# KiCad board AmigaPCI 68040.kicad_pcb (continued)
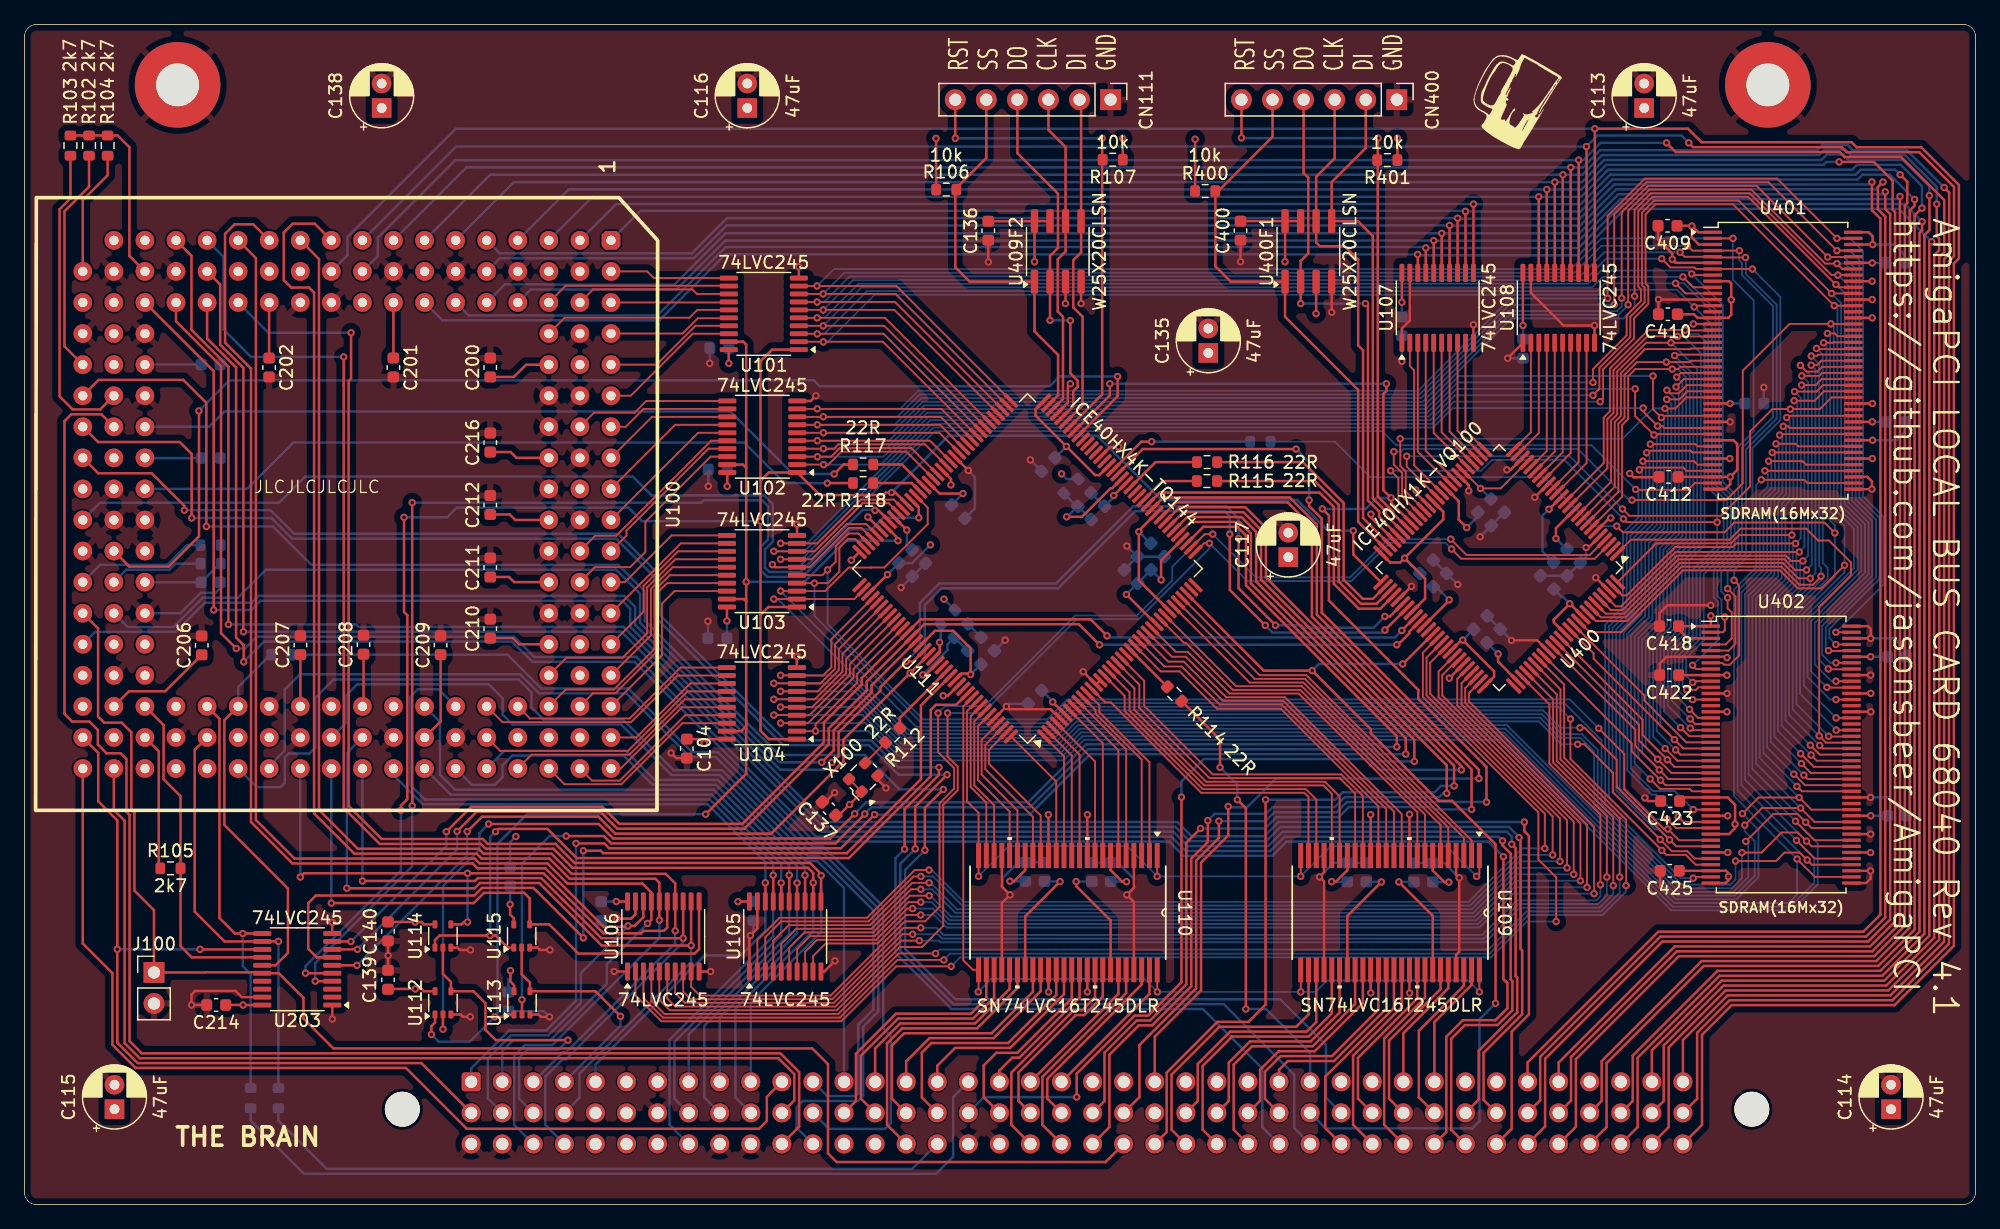
[diagram p0: board, top side]
## Routing (per net, layer and track width the routed paths; a pad name or vN(x,y) marks a point on that pad's centre or on a via; arc(x,y) is an arc through that point) (continued)
LVDA26: length 156.5
  Top w0.15: 63.16,39.35 61.82,39.35 ; U111.118 67.77,43.78 67.77,43.07 64.05,39.35 U104.3 ; v1(142.58,60.77) 145.21,60.77 145.23,60.75 145.38,60.75 145.65,60.48 U401.48 ; v1(144.87,29.77) 146.36,28.28 U402.48
  Bottom w0.15: v1(61.81,39.36) 68.76,39.36 71.46,36.65 84.86,36.65 86.5,38.29 120.81,38.29 134.75,24.35 144.36,24.35 146.3,26.29 146.3,28.34 v1(144.87,29.77) 140.35,34.29 140.35,50.04 142.16,51.85 142.16,57.92 142.81,58.57 142.81,60.55 v1(142.58,60.77)
LVDA27: length 155.4
  Top w0.15: 63.15,43.26 61.81,43.26 ; U402.50 146.1,29.28 v1(145.67,29.71) 144.97,30.41 143.64,30.41 142,28.77 v1(140.4,28.77) ; v1(142.88,61.47) 142.89,61.48 U401.50 ; U104.9 65.28,43.25 65.97,43.93 65.97,46.22 U111.112
  Bottom w0.15: v1(145.67,29.71) 140.65,34.73 140.65,49.92 142.46,51.72 142.46,57.79 143.11,58.44 143.11,61.25 v1(142.88,61.47) ; v1(61.81,43.26) 67.4,43.26 72.21,38.45 84.12,38.45 85.76,40.09 124.03,40.09 125.67,38.45 127.32,38.45 128.62,37.16 128.62,32.6 135.36,25.86 139.58,25.86 140.4,26.68 v1(140.4,28.77)
LVDA28: length 154.3
  Top w0.15: U111.119 68.07,43.37 68.07,42.66 64.67,39.26 v1(64.67,38.71) 64.66,38.7 U104.2 ; v1(144.78,31.34) 146.34,29.78 U402.51 ; U401.51 145.01,61.98 144.8,62.19 v1(143.18,62.19)
  Bottom w0.15: v1(64.67,38.71) 68.98,38.71 71.38,36.31 84.94,36.31 86.62,37.99 120.68,37.99 134.62,24.05 144.48,24.05 146.6,26.17 146.6,29.53 v1(144.78,31.34) 140.95,35.17 140.95,49.79 142.76,51.6 142.76,57.67 143.41,58.32 143.41,61.96 v1(143.18,62.19)
LVDA29: length 157.3
  Top w0.15: v1(140.72,29.69) 142.97,31.93 144.93,31.93 v1(145.62,31.25) 146.08,30.78 U402.53 ; 63.15,42.61 61.26,42.61 ; v1(143.48,62.9) 143.56,62.98 U401.53 ; U111.113 66.27,45.81 66.27,43.81 65.06,42.6 U104.8
  Bottom w0.15: v1(61.26,42.61) 67.62,42.61 72.08,38.15 84.24,38.15 85.88,39.79 123.91,39.79 125.55,38.15 127.2,38.15 128.32,37.03 128.32,32.48 135.24,25.56 139.7,25.56 140.92,26.78 140.92,29.49 v1(140.72,29.69) ; v1(143.48,62.9) 143.71,62.68 143.71,58.2 143.06,57.55 143.06,51.47 141.25,49.67 141.25,35.61 v1(145.62,31.25)
LVDA30: length 155.7
  Top w0.15: 63.15,41.3 61.26,41.3 ; U401.54 144.32,63.48 144.18,63.62 v1(143.78,63.62) ; v1(140.63,31.02) 142.03,32.41 v1(145.2,32.41) 146.33,31.28 U402.54 ; U111.115 66.87,44.99 66.87,43.56 64.61,41.3 U104.6
  Bottom w0.15: v1(145.2,32.41) 141.55,36.06 141.55,49.54 143.36,51.35 143.36,57.42 144.01,58.07 144.01,63.4 v1(143.78,63.62) ; v1(140.63,31.02) 140.63,30.52 141.45,29.7 141.45,26.88 139.83,25.26 135.11,25.26 121.18,39.19 86.13,39.19 84.49,37.55 71.84,37.55 68.08,41.31 v1(61.26,41.31)
LVDA31: length 155.9
  Top w0.15: U111.116 67.17,44.59 67.17,43.55 67.17,43.54 67.17,43.44 64.38,40.65 U104.5 ; 63.16,40.66 61.82,40.66 ; v1(144.06,64.34) 144.21,64.48 U401.56 ; v1(140.44,31.95) 141.76,33.27 v1(145.08,33.27) 146.07,32.28 U402.56
  Bottom w0.15: v1(144.06,64.34) 144.31,64.1 144.31,57.95 143.66,57.3 143.66,51.22 141.85,49.42 141.85,36.49 145.07,33.27 v1(145.08,33.27) ; v1(61.81,40.67) 68.3,40.67 71.71,37.25 84.61,37.25 86.25,38.89 121.06,38.89 134.99,24.96 139.95,24.96 141.75,26.75 141.75,30.64 v1(140.44,31.95)
LVDB0: length 33.1
  Top w0.15: U109.2 118.3,29.76 104.79,43.27 100.97,43.27 U111.33
LVDB1: length 31.5
  Top w0.15: U111.28 94.79,45.92 94.93,45.92 98.78,42.07 104.3,42.07 114.49,31.88 U109.8
LVDB2: length 32.2
  Top w0.15: U111.31 100.16,42.67 104.54,42.67 116.4,30.82 U109.5
LVDB3: length 32.8
  Top w0.15: U109.3 117.67,29.97 104.67,42.97 100.56,42.97 U111.32
LVDB4: length 32.1
  Top w0.15: U109.6 115.76,31.03 104.42,42.37 99.04,42.37 U111.29
LVDB5: length 30.3
  Top w0.15: U109.11 112.59,31.92 103.03,41.47 98.25,41.47 94.93,44.78 93.8,44.78 U111.25
LVDB6: length 31.5
  Top w0.15: U109.9 113.86,29.75 113.87,29.76 113.87,32.08 104.17,41.77 98.51,41.77 95.1,45.18 94.11,45.18 U111.26
LVDB7: length 30
  Top w0.15: U109.12 111.95,32.13 102.91,41.17 97.98,41.17 94.77,44.38 93.5,44.38 U111.24
LVDB8: length 29.7
  Top w0.15: U111.23 93.19,43.98 94.6,43.98 97.71,40.87 102.79,40.87 111.32,32.34 U109.13
LVDB9: length 29.4
  Top w0.15: U111.22 92.88,43.58 94.44,43.58 97.49,40.53 102.7,40.53 110.68,32.55 U109.14
LVDB10: length 30
  Top w0.15: U109.17 108.78,33.61 107.52,34.86 96.87,34.86 91.14,40.6 91.14,42.5 U111.18
LVDB11: length 30.4
  Top w0.15: U109.16 109.41,33.4 107.65,35.16 97.14,35.16 91.54,40.76 91.54,42.81 U111.19
LVDB12: length 28.3
  Top w0.15: U109.20 106.87,33.58 106.19,34.26 96.45,34.26 90.34,40.37 90.34,41.88 U111.16
LVDB13: length 26.2
  Top w0.15: U109.23 104.97,33.32 104.62,33.66 96.2,33.66 88.81,41.05 88.34,41.05 U111.12
LVDB14: length 14.2
  Top w0.15: U110.5 90.06,37.21 U111.9
LVDB15: length 14.9
  Top w0.15: U110.3 91.33,36.37 87.56,40.13 87.56,40.42 U111.10
LVDB16: length 28.7
  Top w0.15: U109.19 107.51,33.37 106.32,34.56 96.61,34.56 90.74,40.43 90.74,42.19 U111.17
LVDB17: length 15.4
  Top w0.15: U111.11 87.88,40.81 87.88,40.25 91.97,36.16 U110.2
LVDB18: length 26.8
  Top w0.15: U109.22 105.6,30.31 105.61,30.31 105.61,33.1 104.75,33.96 96.32,33.96 89.94,40.35 89.94,41.58 U111.15
LVDB19: length 13
  Top w0.15: U110.8 88.16,37.7 U111.7
LVDB20: length 11.4
  Top w0.15: U111.3 86.25,36.78 U110.11
LVDB21: length 12.6
  Top w0.15: U110.19 81.17,32.22 78.25,35.15 78.25,37.99 U111.141
LVDB22: length 10.9
  Top w0.15: U110.12 85.62,36.71 U111.2
LVDB23: length 12.1
  Top w0.15: U111.4 87.52,36.22 U110.9
LVDB24: length 12.9
  Top w0.15: U111.138 77.65,39.51 77.65,34.26 79.27,32.64 U110.22
LVDB25: length 13.7
  Top w0.15: U111.8 89.43,37.14 U110.6
LVDB26: length 13
  Top w0.15: U110.20 80.54,32.12 77.95,34.7 77.95,39.1 U111.139
LVDB27: length 11.3
  Top w0.15: U110.14 84.35,34.57 U111.144
LVDB28: length 13.1
  Top w0.15: U110.23 78.63,32.85 77.35,34.14 77.35,39.92 U111.137
LVDB29: length 10.4
  Top w0.15: U110.13 84.98,36.64 U111.1
LVDB30: length 12.6
  Top w0.15: U110.17 82.44,31.7 78.55,35.59 78.55,37.58 U111.142
LVDB31: length 12.4
  Top w0.15: U110.16 83.08,31.8 78.85,36.03 78.85,37.18 U111.143
PCLK: length 60.8
  Top w0.2: R118.2 65.64,58.98 v1(65.63,58.97)
  Bottom w0.2: v1(65.63,58.97) 62.16,58.97 58.84,62.29 21.99,62.29 18.2,58.5 U100.135
PORTSIZE: length 128.8
  Top w0.2: v1(113.62,36.22) 113.62,37.99 100.69,50.92 100.69,54.99 99.48,56.2 95.05,56.2 U111.42 ; v1(45.09,29.52) 47.4,29.52 47.8,29.12 66.74,29.12 v1(69.49,31.88)
  Bottom w0.2: v1(69.49,31.88) 82.17,31.88 87.11,36.82 110.02,36.82 110.61,36.22 v1(113.62,36.22) ; CN100.a1 36.52,11.13 39.62,14.23 42.66,14.23 45.09,16.66 v1(45.09,29.52)
R_W: length 30.6
  Top w0.2: U100.112 16.34,39.59 16.34,31.03 21.54,25.83 21.54,20.57 20.52,19.56 19.44,19.56
  Bottom w0.2: U100.112 17.47,42.31 20.11,44.95
R_W-3V: length 174.7
  Top w0.2: v1(108.63,55.08) 108.63,53.14 110.89,50.88 ; 60.17,48.21 v1(60.17,55.86) 60.17,59.16 ; 60.17,48.21 60.17,38.73 60.85,38.05 U104.1 ; 60.17,48.21 60.8,48.85 U103.1 ; U111.97 71.19,58.2 v1(70.89,58.2) 70.44,58.2 70.24,58 65.02,58 U102.1 60.85,59.84 60.17,59.16 ; v1(31.03,56.18) 31.03,48.44 31.3,48.17 31.3,33.13 30.78,32.61 v1(30.78,32.22) ; v1(22.98,18.91) 22.98,18.91 U203.5 ; 60.17,59.16 60.17,68.94 61.11,69.89 U101.1
  Bottom w0.2: v1(108.63,55.08) 106.56,55.08 104.04,57.6 92.93,57.6 87.69,62.85 75.54,62.85 v1(70.89,58.2) ; v1(22.98,18.91) 22.98,19.5 30.77,27.29 30.77,32.22 v1(30.78,32.22) ; v1(31.03,56.18) 34.57,56.18 35.36,56.97 49.37,56.97 50.48,55.86 v1(60.17,55.86)
RAMCLKA: length 89.1
  Top w0.15: 149.33,38.26 147.51,38.26 v1(147.49,38.28) ; U401.68 147.88,70.48 147.85,70.45 v1(147.08,70.45) ; v1(148,54.9) 147.15,55.75 139.78,55.75 138.98,54.96 130.67,54.96 v1(130.17,55.46)
  Bottom w0.15: v1(147.08,70.45) 147.31,70.22 147.31,56.21 148,55.52 v1(148,54.9) 148,51.32 144.85,48.18 144.85,40.92 v1(147.49,38.28) ; v1(130.17,55.46) 128.21,55.46 124.21,59.46 110.03,59.46 107.13,62.36 R113.2
RAMCLKB: length 22.5
  Top w0.2: R116.2 104.51,60.69 107.84,57.36 107.84,51.08 109.41,49.51 110.23,49.51 U400.52
SIZ0: length 34.5
  Top w0.2: U203.12 16.35,21.51 13.92,23.94 13.92,37.17 U100.119 ; v1(20.76,21.51) 19.44,21.51
  Bottom w0.2: v1(20.76,21.51) R119.2
SIZ0-3V: length 104.7
  Top w0.2: v1(35.36,30.51) 36.96,32.11 47.08,32.11 48.46,30.72 58.85,30.72 65.75,37.62 65.75,38.93 68.85,42.03 68.85,42.74 U111.121 73.56,47.44 86.2,47.44 v1(87.88,45.76) ; v1(112.19,45.76) 112.28,45.76 113.2,46.68 113.2,46.82 U400.60 ; U203.8 27.21,20.86 v1(27.22,20.86)
  Bottom w0.2: v1(87.88,45.76) v1(112.19,45.76) ; v1(27.22,20.86) 35.36,29.01 v1(35.36,30.51)
SIZ1: length 34.6
  Top w0.2: U100.118 15.94,39.71 15.94,23.42 17.2,22.16 v1(17.85,22.16) U203.11
  Bottom w0.2: R120.2 18.49,18.84 17.85,19.48 v1(17.85,22.16)
SIZ1-3V: length 103.9
  Top w0.2: v1(26.69,21.5) 26.68,21.51 U203.9 ; v1(34.49,30.48) 36.51,32.51 47.24,32.51 48.63,31.12 58.69,31.12 65.35,37.79 65.35,39.41 68.45,42.51 68.45,43.04 U111.120 73.25,47.84 87.15,47.84 v1(88.5,46.49) ; U400.59 v1(112.6,46.93)
  Bottom w0.2: v1(88.5,46.49) 88.63,46.36 112.02,46.36 v1(112.6,46.93) ; v1(26.69,21.5) 34.49,29.3 v1(34.49,30.48)
TM0: length 88.4
  Bottom w0.2: 68.33,14.87 68.16,14.71 68.16,9.04 67.99,8.87 65.62,8.87 CN100.a12 ; 68.33,14.87 69.4,15.94 69.4,24.04 64.96,28.47 64.06,28.47 57.02,35.51 53.07,35.51 48.93,39.64 42.44,39.64 41.45,40.64 41.45,41.86 40.39,42.92 25.27,42.92 23.79,41.44 23.79,37.37 23.29,36.87 21.6,36.87 21.29,36.56 21.29,34.47 20.94,34.12 18.99,34.12 U100.114 ; 68.33,14.87 68.16,14.7
TM1: length 89
  Bottom w0.2: CN100.c12 63.12,6.29 63.12,7.95 63.63,8.47 68.15,8.47 68.56,8.88 68.56,14.54 69.8,15.78 69.8,24.2 65.13,28.87 64.22,28.87 56.51,36.58 54.41,36.58 49.21,41.78 42.09,41.78 40.53,43.34 22.52,43.34 21.28,42.1 21.28,37.12 20.01,35.85
TM2: length 68.5
  Bottom w0.2: CN100.a13 67,25.87 64.8,28.07 63.89,28.07 56.85,35.11 52.9,35.11 48.77,39.24 39.89,39.24 39.09,40.04 39.09,41.4 37.97,42.52 27.2,42.52 26.31,41.63 26.31,39.4 U100.95
TT0: length 170.2
  Top w0.2: CN100.c32 116.23,5.93 116.23,13.72 117.59,15.07 120.25,15.07 121.23,16.05 121.23,18.1 120.9,18.43 v1(120.9,28.44) ; U100.117 14.93,70.8 17.3,68.43 17.3,46.35 17.92,45.73 v1(17.92,44.36)
  Bottom w0.2: v1(120.9,28.44) 120.9,28.45 119.68,29.67 103.18,29.67 102.01,28.5 94.76,28.5 93.59,29.67 64.55,29.67 49.86,44.36 41.51,44.36 39.85,46.02 19.58,46.02 v1(17.92,44.36)
TT1: length 166.8
  Top w0.2: v1(121.58,29.46) 121.9,29.14 121.9,18.68 122.03,18.55 122.03,15.72 118.88,12.57 118.88,8.57 CN100.b33 ; U100.116 16,75.21 16,70.29 17.9,68.39 v1(17.9,46.82)
  Bottom w0.2: v1(17.9,46.82) 47.52,46.82 47.53,46.81 48.81,46.81 65.15,30.47 93.92,30.47 95.09,29.3 101.68,29.3 102.85,30.47 121.19,30.47 121.58,30.08 v1(121.58,29.46)
UPA0: length 171.4
  Top w0.2: U100.123 12.39,72.21 16.07,68.53 16.07,46.71 v1(17.32,45.46) ; v1(120.83,29.73) 120.83,29.36 121.5,28.69 121.5,18.4 121.63,18.26 121.63,15.89 120.42,14.67 117.75,14.67 116.63,13.55 116.63,6.12 CN100.c33
  Bottom w0.2: v1(17.32,45.46) 18.02,45.46 18.99,46.42 40.02,46.42 41.68,44.76 49.86,44.76 49.87,44.77 50.05,44.77 50.05,44.74 64.72,30.07 93.75,30.07 94.92,28.9 101.84,28.9 103.01,30.07 120.49,30.07 v1(120.83,29.73)
UPA1: length 171.3
  Top w0.2: U100.121 13.65,77.56 13.65,71.51 16.67,68.49 v1(16.67,47.42) ; CN100.b34 119.28,8.55 119.28,12.4 122.43,15.56 122.43,20.78 122.3,20.91 122.3,29.89 v1(122.18,30)
  Bottom w0.2: v1(16.67,47.42) 27.12,47.42 27.32,47.22 48.97,47.22 48.97,47.21 65.32,30.87 94.09,30.87 95.25,29.7 101.51,29.7 102.68,30.87 121.35,30.87 122.18,30.04 v1(122.18,30)
Net-(CN100-Pin_a17): length 67.4
  Bottom w0.2: R120.1 18.49,6.87 22.85,2.51 74.52,2.51 75.92,3.91 75.92,8.79 CN100.a17
Net-(CN100-Pin_b12): length 82
  Bottom w0.2: R111.1 39.49,44.95 42.26,42.18 49.37,42.18 54.58,36.98 56.68,36.98 64.39,29.27 65.29,29.27 70.2,24.37 70.2,14.42 70.82,13.81 70.82,6.66 70.34,6.18 65.77,6.18 CN100.b12
Net-(CN100-Pin_c16): length 57.4
  Bottom w0.2: R119.1 20.76,6.86 24.71,2.91 72.58,2.91 CN100.c16
Net-(U111-GNDPLL0): length 4.2
  Top w0.2: 90.07,58.98 v1(89.05,57.96)
  Bottom w0.2: v1(89.05,57.96) 89.05,57.83 C133.2 ; 88.28,57.09 C134.2
Net-(U111-GNDPLL1): length 7.3
  Top w0.2: v1(73.44,43.3) 73.66,43.3 U111.127
  Bottom w0.2: 76.02,46.36 C131.2 ; C132.2 75.45,45.79 75.45,45.31 v1(73.44,43.3)
Net-(U111-IO1_140_GBIN3): length 5
  Top w0.2: U111.93 71.72,60.5 R117.1
Net-(U111-IO1_141_GBIN2): length 4.1
  Top w0.2: R118.1 72.53,58.98 U111.94
Net-(U111-IO2_81_GBIN5): length 5
  Top w0.2: R115.1 93.04,59.14 U111.49
Net-(U111-IO2_82_GBIN4): length 6.3
  Top w0.2: U111.52 92.47,60.69 R116.1
Net-(U111-IO2_94): length 12.2
  Top w0.2: v1(92.15,62.36) 91.31,62.36 U111.56
  Bottom w0.2: v1(92.15,62.36) R113.1
Net-(U111-IO3_14A_GBIN6): length 4.2
  Top w0.2: R114.1 90.42,45.33
Net-(U111-VCCPLL0): length 10.1
  Top w0.2: v1(85.2,56.22) 86.46,56.22 88.8,58.56 88.92,58.56 U111.54
  Bottom w0.2: 86.12,57.08 C133.1 ; 86.03,57.08 R109.2 ; v1(85.2,56.22) 85.24,56.22 C134.1
Net-(U111-VCCPLL1): length 6.8
  Top w0.2: U111.126 74.83,45.17 74.83,45.94 v1(74.81,45.96)
  Bottom w0.2: 77.09,47.43 R108.1 74.9,46.05 v1(74.81,45.96) ; 77.12,47.45 C131.1
Net-(X100-OUT): length 2.2
  Top w0.15: 68.84,36.23 70.39,37.77

## Copper pours and planes (outline as drawn; the poured copper is in the pictures)
+1V2 on In2.Cu: 69.82,51.85 81.97,64.1 93.52,51.66 81.53,39.92
+1V2 on In2.Cu: 113.06,51.69 120.52,44.02 128.51,52.13 121.04,59.71
+3V3 on In2.Cu: -0.01,96.47 0,0 159.5,-0.04 159.5,96.42
+5V on In3.Cu: -0.01,96.47 0,0 159.5,-0.04 159.5,96.42
GND on Top: 0.01,96.47 0.02,0 159.5,0.01 159.5,96.47
GND on Bottom: -0.01,96.47 0,0 159.5,-0.04 159.5,96.42
GND on In1.Cu: 0,96.47 0.01,0 159.5,-0.04 159.5,96.42
GND on In4.Cu: 0,96.47 0.01,0 159.5,0.01 159.5,96.47

## Text on the board
B.Silkscreen: CONNECTOR THIS SIDE!
F.Fab: U401
F.Silkscreen: JLCJLCJLCJLC | RST / SS / DO / CLK / DI / GND | 1 | THE BRAIN | AmigaPCI LOCAL BUS CARD 68040 Rev 4.1 / https://github.com/jasonsbeer/AmigaPCI
